# Allegro board BeagleBone_Green_v1.brd (continued)
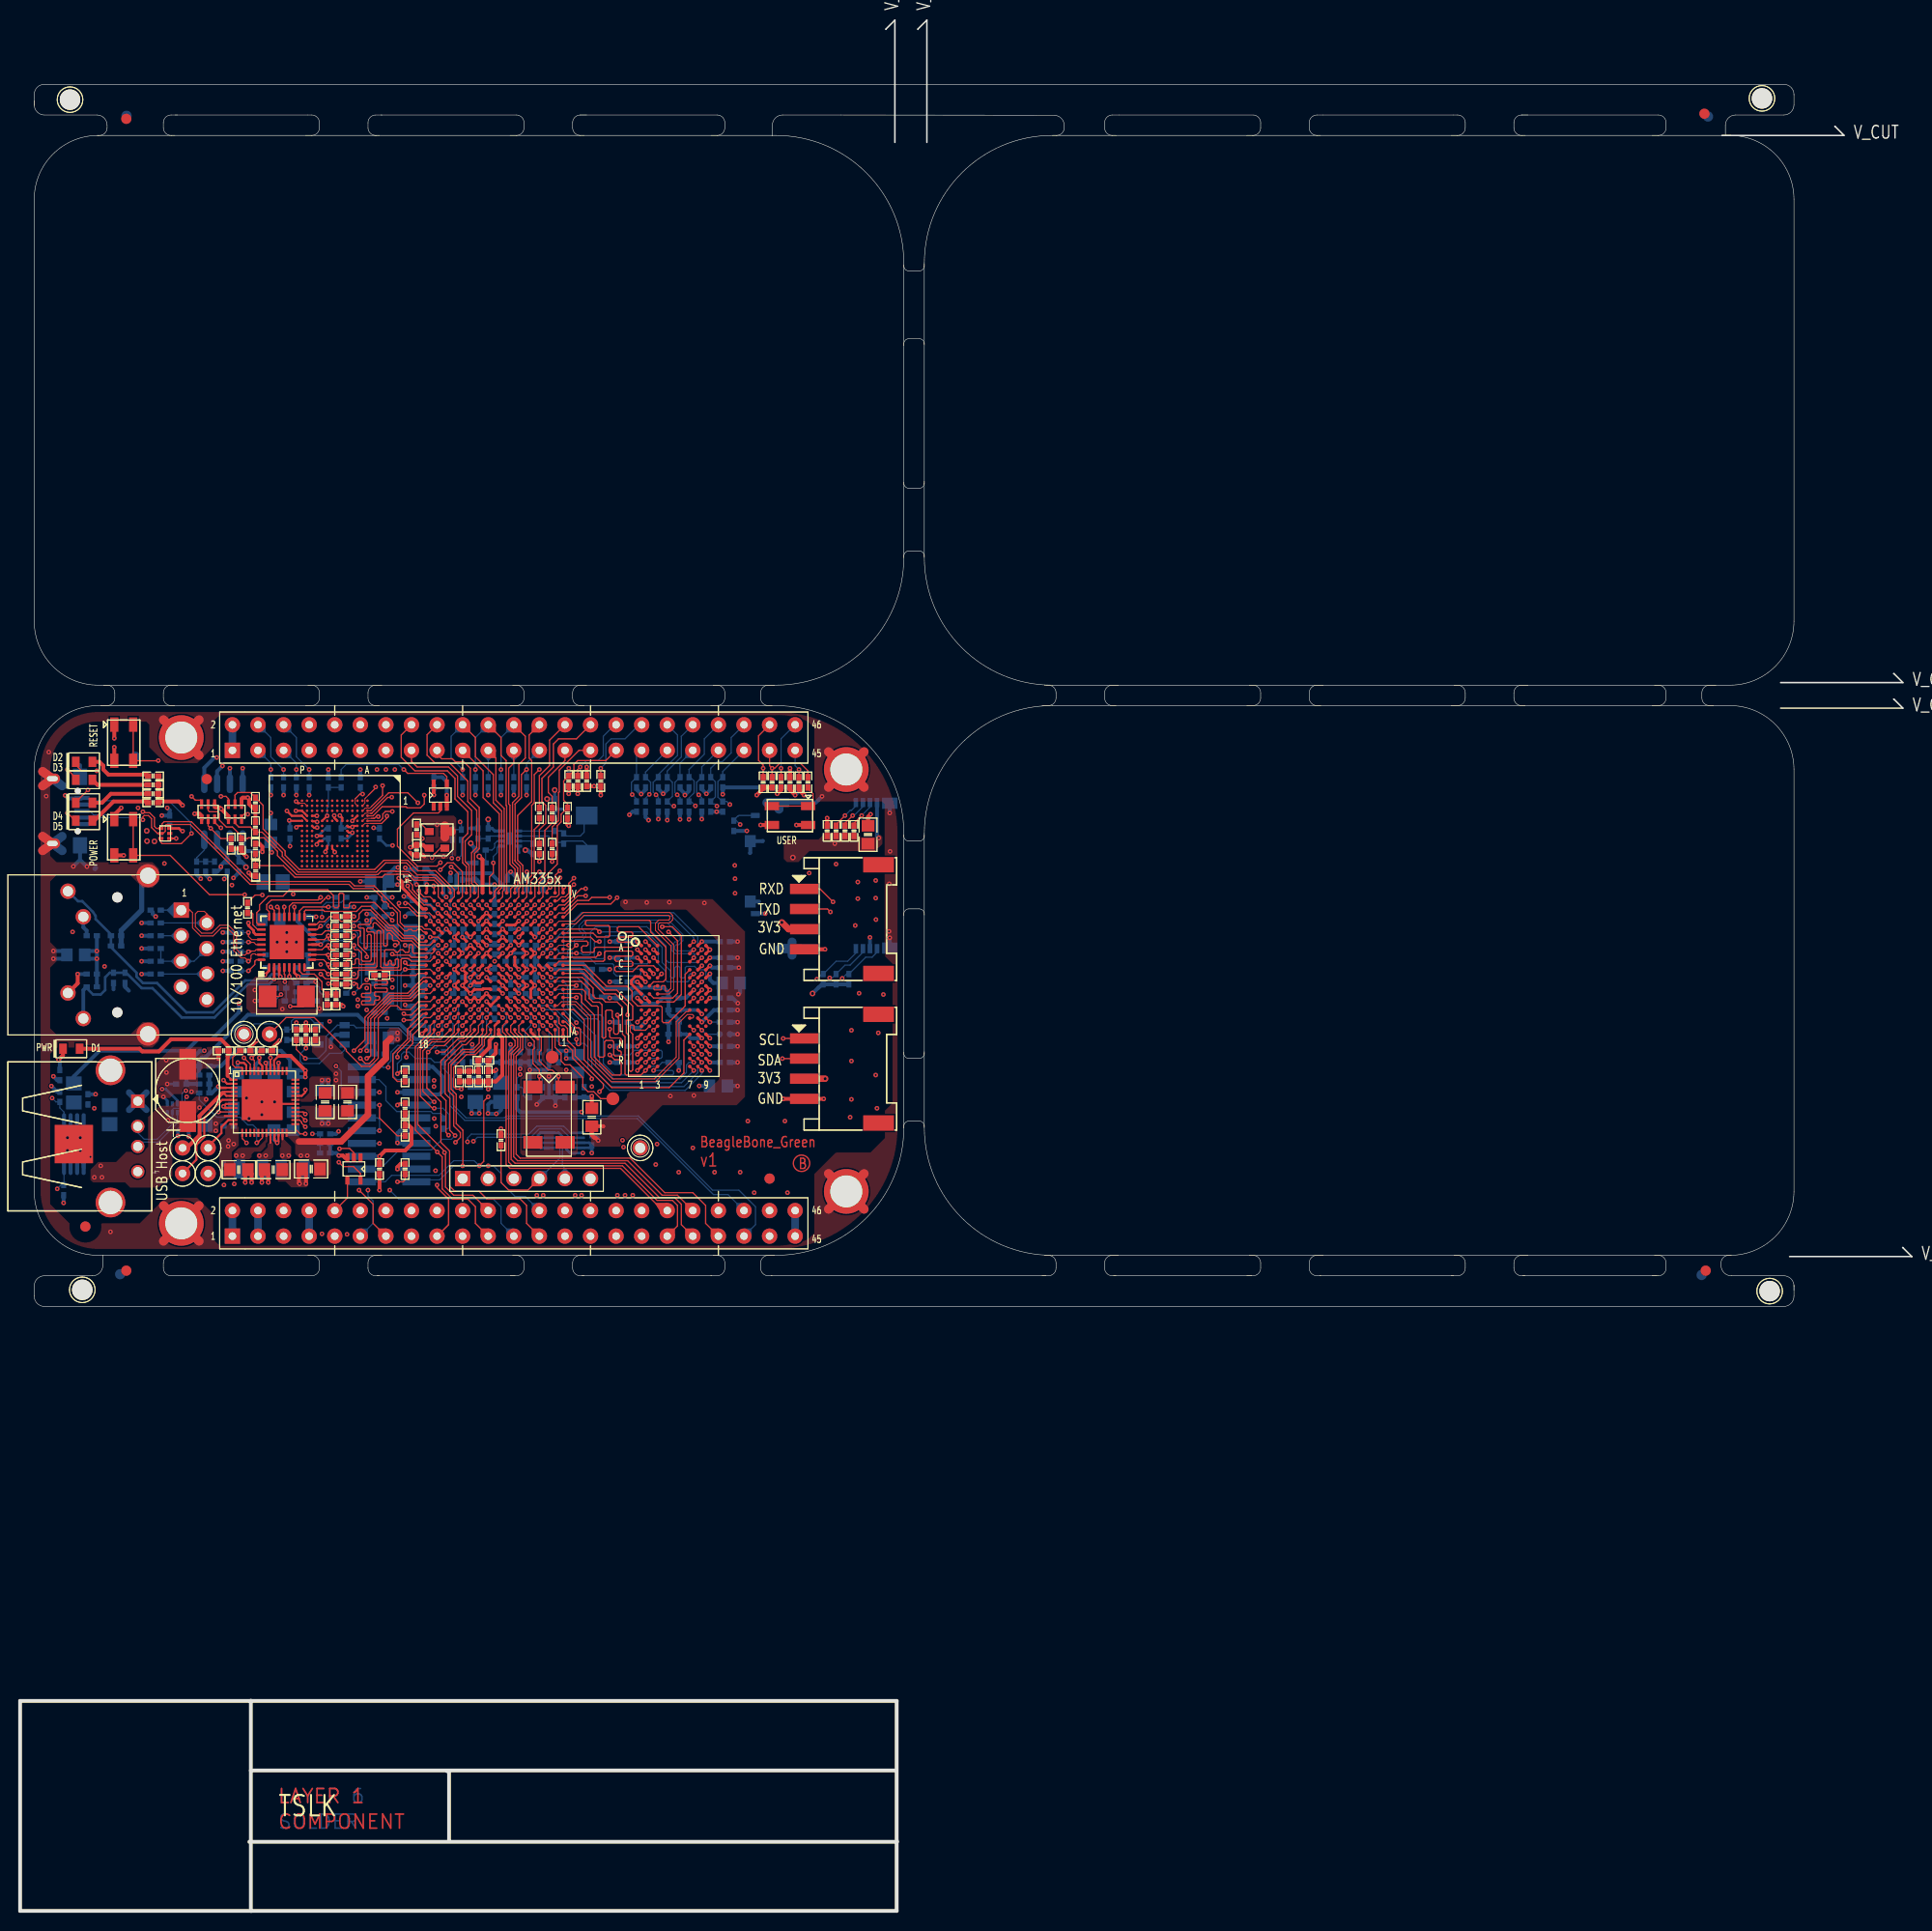
[diagram p0: board, top side]
## Nets (continued)
MMC0_DAT1: P10.8(DAT1) R154.2 U5.G15(MMC0_DAT1/GPMC_A22/UART5_CTSN/U)
MMC0_DAT2: P10.1(DAT2) R150.2 U5.F18(MMC0_DAT2/GPMC_A21/UART4_RTSN/T)
MMC0_DAT3: P10.2(CD/DAT3) R155.2 U5.F17(MMC0_DAT3/GPMC_A20/UART4_CTSN/T)
MMC1_CLK: P8.21(11) R110.2 U5.U9(GPMC_CSN1/GPMC_CLK/MMC1_CLK/PRT) U13.M6(CLK)
MMC1_CMD: P8.20(35) R109.2 U5.V9(GPMC_CSN2/GPMC_BE1N/MMC1_CMD/PR) U13.M5(CMD)
MMC1_DAT0: P8.25(13) R101.2 U5.U7(GPMC_AD0/MMC1_DAT0//////GPIO1_0) U13.A3(DAT0)
MMC1_DAT1: P8.24(37) R102.2 U5.V7(GPMC_AD1/MMC1_DAT1//////GPIO1_1) U13.A4(DAT1)
MMC1_DAT2: P8.5(3) R103.2 U5.R8(GPMC_AD2/MMC1_DAT2//////GPIO1_2) U13.A5(DAT2)
MMC1_DAT3: P8.6(28) R104.2 U5.T8(GPMC_AD3/MMC1_DAT3//////GPIO1_3) U13.B2(DAT3)
MMC1_DAT4: P8.23(12) R105.2 U5.U8(GPMC_AD4/MMC1_DAT4//////GPIO1_4) U13.B3(DAT4)
MMC1_DAT5: P8.22(36) R106.2 U5.V8(GPMC_AD5/MMC1_DAT5//////GPIO1_5) U13.B4(DAT5)
MMC1_DAT6: P8.3(2) R107.2 U5.R9(GPMC_AD6/MMC1_DAT6//////GPIO1_6) U13.B5(DAT6)
MMC1_DAT7: P8.4(27) R108.2 U5.T9(GPMC_AD7/MMC1_DAT7//////GPIO1_7) U13.B6(DAT7)
MODE2: R113.1 R138.2 U14.15(COL/CRS_DV/MODE2)
OSC1_IN: C21.2 U5.A6(OSC1_IN) Y1.1
OSC1_OUT: C22.2 U5.A4(OSC1_OUT) Y1.4
P_BYPASS: C4.2 U2.47(BYPASS)
P_INT_LDO: C3.2 U2.48(INT_LDO)
P_L1: L1.1 U2.20(L1)
P_L2: L2.1 U2.23(L2)
P_L3: L3.1 U2.31(L3)
PHY_VDDCR: C134.1 C136.1 U14.6(VDDCR)
PHY_XTAL1: C143.1 R141.2 R142.1 Y3.1
PHY_XTAL2: R141.1 R143.1 U14.4(XTAL2)
PHYX: C142.1 R143.2 Y3.2
PMIC_INT: R1.2 U2.45(INT) U5.B18(NNMI)
PMIC_PGOOD: U2.26(PGOOD) U5.B15(PORZN) U16.2(A)
PMIC_POWR_EN: U2.9(PWR_EN) U5.C6(PMIC_POWER_EN)
PROC_A15: R18.1 U5.A15(EVENT_INTR0/TIMER4/CLKOUT1/SPI1)
PWR_BUT: P9.9(5) S3.2(B1) S3.4(B2) U2.25(PB_IN)
PWR_LEDR: D1.1(C) R12.2
RBIAS: R144.1 U14.32(RBIAS)
RCLKIN: C161.1 R140.2 R142.2 U14.5(XTAL1/CLKIN)
REFCLKO: C162.2 R118.1 R124.2 R131.2 U14.7(RXCLK/PHYAD1)
RXD0/MODE0: R112.1 R128.2 U14.11(RXD0/MODE0)
RXD1/MODE1: R114.1 R127.2 U14.10(RXD1/MODE1)
RXD2/RMIISEL: R117.1 R126.2 U14.9(RXD2/RMIISEL)
RXD3/PHYAD2: R116.1 R125.2 U14.8(RXD3/PHYAD2)
RXDV: R129.2 U14.26(RXDV)
RXER/PHYAD0: R115.1 R133.2 U14.13(RXER/RXD4/PHYAD0)
RXN: C138.1 P5.2(RD-) R121.1 U14.30(RXN)
RXP: C137.1 P5.1(RD+) R120.1 U14.31(RXP)
SPI1_CS0: P9.28(39) U5.C12(MCASP0_AHCLKR/EHRPWM0_SYNCI_O/M)
SPI1_D0: P9.29(15) U5.B13(MCASP0_FSX/EHRPWM0B//SPI1_D0/MM)
SPI1_D1: P9.30(40) U5.D12(MCASP0_AXR0/EHRPWM0_TRIPZONE_IN)
SPI1_SCLK: P9.31(16) U5.A13(MCASP0_ACLKX/EHRPWM0A//SPI1_SCL)
SYS_5V: C7.2 C8.2 C10.2 C13.2 C17.1 C34.1 P9.7(4) P9.8(29) R71.1 R72.1 R73.1 R74.1 U2.2(VINLDO) U2.7(SYS1) U2.8(SYS2) U2.21(VIN_DCDC1) U2.22(VIN_DCDC2) U2.32(VIN_DCDC3) U2.39(LDO3_IN) U2.42(LDO4_IN) U4.2(IN) U8.2(IN1) U8.3(IN2)
SYS_RESETN: C24.1 C30.1 P2.15(SRST) P9.10(30) R14.2 S1.2(B1) S1.4(B2) U5.A10(NRESET_INOUT) U14.19(NRST) U16.4(Y)
TCT_RCT: C141.1 P5.4(RCT) P5.5(TCT) R137.1
TESTOUT: TP3.1(TP) U5.A3(TESTOUT)
TIMER4: P8.7(4) U5.R7(GPMC_ADVN_ALE/TIMER4/GPIO2_2)
TIMER5: P8.9(5) U5.T6(GPMC_BE0N_CLE/TIMER5/GPIO2_5)
TIMER6: P8.10(30) U5.U6(GPMC_WEN/TIMER6/GPIO2_4)
TIMER7: P8.8(29) U5.T7(GPMC_OEN_REN/TIMER7/EMU4/GPIO2_)
TXCLK: R134.2 U14.20(TXCLK)
TXN: C140.1 P5.6(TD-) R123.1 U14.28(TXN)
TXP: C139.1 P5.3(TD+) R122.1 U14.29(TXP)
U5_H18: R28.1 U5.H18(RMII1_REFCLK/XDMA_EVENT_INTR2/S)
U5_R13: R160.1 U5.R13(GPMC_A0/GMII2_TXEN/RGMII2_TCTL/)
U5_T13: R161.1 U5.T13(GPMC_CSN3/MMC2_CMD/PR1_MDIO_DAT)
UART0_RX: U5.E15(UART0_RXD/SPI1_CS0/DCAN0_TX/I2C) U15.6(1Y)
UART0_TX: U5.E16(UART0_TXD/SPI1_CS1/DCAN0_RX/I2C) U15.5(2A)
UART1_RXD: P9.26(38) U5.D16(UART1_RXD/MMC1_SDWP/DCAN1_TX/I2)
UART1_TXD: P9.24(37) U5.D15(UART1_TXD/MMC2_SDWP/DCAN1_RX/I2)
UART2_RXD: J5.1 P9.22(36) U5.A17(SPI0_SCLK/UART2_RXD/I2C2_SDA/EH)
UART2_TXD: J5.2 P9.21(11) U5.B17(SPI0_D0/UART2_TXD/I2C2_SCL/EHRP)
UART4_RXD: P9.11(6) U5.T17(GPMC_WAIT0/GM112_CRS/GPMC_CSN4/)
UART4_TXD: P9.13(7) U5.U17(GPMC_WPN/GMII2_RXERR/GPMC_CSN5/)
USB0_DM: P4.2(D-) U5.N18(USB0_DM) U10.2(D-)
USB0_DP: P4.3(D+) U5.N17(USB0_DP) U10.1(D+)
USB0_ID: P4.4(ID) U5.P16(USB0_ID) U10.3(ID)
USB1_DM: P3.2(P2) U5.R18(USB1_DM) U9.2(D-)
USB1_DP: P3.3(P3) U5.R17(USB1_DP) U9.1(D+)
USB1_DRVVBUS: R53.1 U5.F15(USB1_DRVVBUS/GPIO3_13) U8.4(EN)
USB1_ID: R49.2 U5.P17(USB1_ID)
USB1_OCN: R52.2 U5.T16(GPMC_A10/GMII2_RXD1/RGMII2_RD1/) U8.5(O\C\)
USB1_PWR: C35.1 FB7.1 FB8.2 U8.6(OUT3) U8.7(OUT2) U8.8(OUT1) U9.6(VBUS)
USB1_VBUS: FB8.1 U5.T18(USB1_VBUS)
USB_DC: C1.2 C36.1 P4.1(VB) R159.1 R168.1 U2.12(USB) U10.6(VBUS)
USR0: Q1.2(5) R76.1 U5.V15(GPMC_A5/GMII2_TXD0/RGMII2_TD0/R)
USR1: Q1.5 R77.1 U5.U15(GPMC_A6/GMII2_TXCLK/RGMII2_TCLK)
USR2: Q2.2(5) R78.1 U5.T15(GPMC_A7/GMII2_RXCLK/RGMII2_RCLK)
USR3: Q2.5 R79.1 U5.V16(GPMC_A8/GMII2_RXD3/RGMII2_RD3/M)
VDCDC1: L1.2 R6.1 U2.19(VDCDC1)
VIO: R7.2 U2.18(VIO) U16.5(VCC)
VLDO1: R5.1 R7.1 R8.1 U2.3(VLDO1)
VREFP_ADC: C31.1 C32.1 C33.1 R27.2 U5.B9(VREFP)
VRTC: C16.1 C105.1 R5.2 R26.1 U5.D7(VDDS_RTC)
WAKEUP: R26.2 U2.13(WAKEUP) U5.C5(EXT_WAKEUP)
WP: R156.2 TP4.1(TP) U7.5(WP)
XDMA_EVENT_INTR0: P2.17(EMU2) R18.2
YEL_C: P5.11(YELC) R130.2
YELA: C164.1 C166.1 P5.12(YELA) R135.1 U14.2(LED2/NINTSEL)
ZQ: R99.2 U12.L8(ZQ)
N21757673: C19.1 R10.1 R11.2 U4.4(ADJ)
N21769115: R75.2 S2.1(A1) S2.3(A2)
N22155575: R159.2 U5.P15(USB0_VBUS)
N22248684: R167.1 Y4.3(CLK)
N22287501: R162.1 U3.4(Y)
N22287555: U3.2(A) U5.R14(GPMC_A4/GMII2_TXD1/RGMII2_TD1/R)
N22420400: TP5.1(TP) U2.4(BAT1) U2.5(BAT2)
N22420444: TP6.1(TP) U2.6(BAT_SENSE)
N22420447: TP7.1(TP) U2.11(TS)
N22488252: TP9.1(TP) U5.E17(UART0_RTSN/UART4_TXD/DCAN1_RX/I)
N22648410: C25.1 R17.1 U17.1(XIN/CXIN) Y2.2
N22648422: C26.1 R17.2 U17.2(CKOUT) Y2.1
N22649826: R171.2 U17.3(SSON)
N22650321: R172.2 R174.1 U17.6(ADS0)
N22650344: R173.1 R175.2 U17.7(ADS1)
N22650388: U5.V10(OSC0_IN) U17.5(MOD OUT)

Pads without a net: J1 2 3 6; NOREF#5 1; NOREF#13 1; NOREF#15 1; NOREF#17 1; NOREF#20 1; NOREF#25 1; NOREF#29 1; NOREF#33 1; NOREF#34 1; NOREF#36 1; NOREF#37 1; NOREF#38 1; NOREF#39 1; NOREF#40 1; P2 6; P5 7; U2 14 15 16 17 33 34 35 36 37 38 44; U3 1; U5 E18 F16 M5 M15 P18 U11; U9 3 5; U10 5; U12 J1 J9 L1 L9; U13 A1 A2 A6 A7 A8 A9 A10 A11 A12 A13 A14 B1 B7 B8 B9 B10 B11 B12 B13 B14 C1 C3 C5 C7 C8 C9 C10 C11 C12 C13 C14 D1 D2 D3 D4 D12 D13 D14 E1 E2 E3 E5 E8 E9 E10 E12 E13 E14 F1 F2 F3 F10 F12 F13 F14 G1 G2 G3 G10 G12 G13 G14 H1 H2 H3 H5 H12 H13 H14 J1 J2 J3 J5 J12 J13 J14 K1 K2 K3 K6 K7 K10 K12 K13 K14 L1 L2 L3 L12 L13 L14 M1 M2 M3 M7 M8 M9 M10 M11 M12 M13 M14 N1 N3 N6 N7 N8 N9 N10 N11 N12 N13 N14 P1 P2 P7 P8 P9 P10 P11 P12 P13 P14; U16 1; Y1 2 3

## Via types
v1: diameter 0.457, hole 0.203, TOP to BOTTOM, 820 vias
v2: diameter 0.559, hole 0.305, TOP to BOTTOM, 28 vias

## Routing (per net, layer and track width the routed paths; a pad name or vN(x,y) marks a point on that pad's centre or on a via; arc(x,y) is an arc through that point)
DGND: length 353.8
  TOP w0.076: 27.73,110.05 27.88,110.05 27.89,110.04 28.23,110.04 28.49,109.79 U13.N2
  TOP w0.178: U13.N5 U13.P4
  TOP w0.191: U10.4 v1(15.49,106.54)
  TOP w0.203: v1(27.41,110.21) 27.57,110.05 27.73,110.05 ; U13.P4 26.98,108.79 v1(26.49,109.27) ; U2.41 v1(24.86,84.75) ; v2(25.27,80.37) 25.65,80.37 25.85,80.17 U2.30 ; U13.G5 31.35,108.43 31.19,108.59 v1(31.19,108.81) ; U13.E7 32.67,107.11 v1(32.99,107.11) ; v1(31.24,105.18) 31.24,105.26 30.99,105.51 U13.H10 ; U13.K8 v1(29.46,106.79) ; v1(27.43,107.65) 27.57,107.79 U13.P6 ; U13.C4 v1(32.99,108.29)
  TOP w0.254: U5.L13 v1(44.72,95.94) U5.L12 ; U12.G1 60.71,92.08 60.71,92.43 61.09,92.81 61.58,92.81 U12.E1 v1(62.1,92.29) ; v1(44.72,91.94) U5.G12 45.28,92.18 45.76,92.18 U5.G11 ; U5.L10 v1(46.32,95.14) ; v1(46.32,95.14) U5.K10 ; v1(46.32,95.14) U5.K11 ; U5.M14 v1(43.12,96.74) U5.N14 ; U12.D1 v1(62.1,93.09) U12.E2 ; v1(61.3,95.49) U12.B1 ; v1(68.5,83.49) U12.T9 ; v1(40.39,101.96) 40.39,101.2 U5.V18 ; U5.J11 v1(45.52,93.54) ; U5.A1 v1(53.92,86.84) ; U5.L11 v1(45.52,95.94) U5.M12 ; U5.H9 v1(47.92,92.74) U5.G8 ; U5.M7 v1(49.52,95.94) U5.M6 ; v1(44.72,92.74) U5.H12 ; U12.B9 v1(68.5,95.49) U12.A9 ; v1(47.92,95.14) U5.K9 ; v1(67.7,93.09) U12.E8 ; U5.M8 v1(47.92,96.74) U5.M9 ; v1(49.52,93.54) U5.J7 U5.K7 ; v1(67.7,93.89) U12.D8 ; v1(68.5,85.09) U12.P9 ; v1(62.9,95.49) U12.B3 ; v1(54,101.7) 53.92,101.62 U5.V1 ; U5.G9 v1(47.92,91.94) U5.F8 ; v1(47.92,93.54) U5.J9 ; U5.J10 v1(46.32,93.54) U5.H10 ; v1(67.7,91.49) U12.G8 ; U5.N10 v1(46.32,97.54) U5.N11 ; v1(61.3,85.09) U12.P1 ; v1(68.5,86.69) U12.M9 ; U5.H6 v1(50.32,93.54) U5.J6 ; U5.H7 v1(49.52,92.74) ; v1(48.72,93.54) U5.J8 ; U5.A18 v1(39.92,87.13) ; U12.F9 v1(68.5,91.49) U12.G9 ; v1(48.72,92.74) U5.H8 ; v1(61.3,83.49) U12.T1 ; v1(67.7,89.09) U12.J8 ; v1(46.32,96.74) U5.M10 ; v1(49.52,97.54) U5.N7 ; v1(61.3,86.69) U12.M1 ; v1(62.1,89.09) U12.J2
  TOP w0.381: v1(37.46,73.7) 37.46,73.89 37.78,74.21 R25.2 ; v1(79.8,80.67) J4.4 v1(75.77,80.67) ; 57.91,77.93 57.89,77.95 C96.1 C155.1 57.02,76.81 57.12,76.81 v1(57.4,76.53) ; v1(54.48,107.8) 54.36,107.92 R81.2 ; 22.86,85.45 22.86,85.83 v1(23.49,86.46) ; v1(84.46,108.94) 84.2,108.69 C153.2 ; v1(75.18,110.97) 75.57,111.35 R94.2 ; v1(31.65,75.03) 32.05,75.03 32.28,74.81 U16.3 ; Q2.1 18.02,108.78 17.81,108.99 v1(17.32,108.99) ; Q1.1 20.69,108.75 v1(19.96,109.47) 19.84,109.6 19.48,109.6 19.32,109.76 Q2.4 ; Q1.4 21.99,110.48 22.1,110.59 v1(22.61,110.59) 22.73,110.46 22.73,109.96 23.11,109.58 R77.2 23.37,108.18 ; S1.1 v1(9.35,116.48) ; v1(73.15,110.85) 73.79,111.48 R92.2 R93.2 ; J5.4 v1(79.93,95.53) ; 38.73,105.13 38.99,104.88 C159.2 40,104.88 40.13,104.75 ; v1(22.71,103.12) 23.01,102.82 R170.2 ; S3.1 9.35,108.89 v1(10.03,109.58) ; v1(77.85,110.85) 77.34,111.35 R95.2 ; R84.2 v1(57.66,110.85) ; v1(22.35,72.36) 22.35,73.38 C1.1 22.99,73.25 v1(22.99,72.36) ; S2.2 v1(77.09,107.87) ; R80.2 v1(55.37,110.97) ; S3.3 v1(10.29,104.85) ; v1(35.69,71.6) C29.2 ; R78.2 R79.2 21.97,105.23 v1(22.48,104.72) ; S2.4 v1(73.53,107.87) ; v1(32.08,89.87) 31.93,90.02 R118.2 C162.1 ; U3.3 v1(42.37,110.85) ; S1.3 v1(9.35,115.6) ; C61.1 v1(76.45,113.51) ; v1(28.38,72.24) 28.38,73.32 C12.1 28,73.44 27.69,73.13 27.69,72.3 v1(27.75,72.24) ; C154.2 v1(80.14,108.56) ; C18.2 v1(19.68,84.68) ; C57.1 v1(56.26,113.64) ; v1(47.75,77.71) R165.2
  TOP w0.889: 42.18,106.67 Y4.2 ; Y4.2 42.18,107.79 ; Y4.2 42.82,107.23
  LYR2_GND w0.889: 20.12,68 P9.1 22.05,68 ; 73.69,68.84 P9.44 ; P9.44 75.16,70.3 ; P9.44 73.69,70.3 ; P9.44 75.16,68.84 ; P9.2 21.82,70.3 ; P9.2 20.35,68.84 ; P9.2 21.82,68.84 ; P9.2 20.35,70.3 ; 11.02,72.77 P3.4 ; P3.4 12.34,72.77 ; P3.4 12.34,74.1 ; P3.4 11.02,74.1 ; 77.7,67.76 P9.45 76.23,67.76 ; 20.12,114.32 P8.1 ; P8.1 22.05,116.26 ; P8.1 22.05,114.32 ; P8.1 20.12,116.26 ; P9.46 77.7,70.3 ; P9.46 76.23,70.3 ; P9.46 76.23,68.84 ; P9.46 77.7,68.84 ; J1.1 44.91,71.78 ; J1.1 42.98,71.78 ; J1.1 42.98,73.71 ; 60.84,76.53 TP1.1 ; TP1.1 62.3,75.06 ; TP1.1 60.84,75.06 ; TP1.1 62.3,76.53 ; TP8.1 19.4,72.52 ; TP8.1 17.94,73.99 ; TP8.1 19.4,73.99 ; TP8.1 17.94,72.52 ; P5.8 19.28,91.26 ; P5.8 19.28,89.79 ; P5.8 17.81,91.26 ; P5.8 17.81,89.79 ; 75.16,67.76 P9.43 73.69,67.76 ; 20.35,117.1 P8.2 21.82,117.1
  LYR5_PWR w0.889: 76.23,70.3 P9.46 ; P9.46 77.7,70.3 ; P9.46 76.23,68.84 ; P9.46 77.7,68.84 ; 75.16,67.76 P9.43 73.69,67.76 ; P9.44 75.16,70.3 ; P9.44 73.69,70.3 ; P9.44 75.16,68.84 ; P9.44 73.69,68.84 ; 77.7,67.76 P9.45 76.23,67.76
  BOTTOM w0.191: v1(30.61,97.83) 30.61,97.48 30.73,97.35 32.26,97.35 32.38,97.22 R115.2 ; C88.2 47.11,88.63 46.32,89.42 v1(46.32,89.54)
  BOTTOM w0.203: v1(51.12,90.34) 50.83,90.62 50.66,90.62 50.21,91.07 C100.2
  BOTTOM w0.254: v1(29.46,106.79) 29.49,106.81 29.62,106.81 30.35,107.54 C128.2 ; U9.4 14.61,80.48 v1(14.22,80.87) ; C127.2 v1(26.8,105.77) ; v1(32.99,107.11) 32.99,107.01 32.51,106.53 C129.2 ; C155.1 57.15,77.06 57.4,76.81 v1(57.4,76.53) ; U15.1 51.68,75.81 51.43,76.05 51.43,77.06 51.68,77.3 U15.4 53.48,77.3 54.23,76.56 54.23,75.67 54.61,75.29 v1(55.88,75.29) ; 15.49,82.14 v1(14.61,82.14) ; v1(44.72,92.74) v1(44.72,91.94) 44.02,91.24 C70.1 ; 54.52,82.35 R30.1 53.68,82.35 ; C130.2 36.37,105.84 v1(36.98,105.84)
  BOTTOM w0.305: C99.2 v1(49.52,92.74) ; C63.2 45.41,91.94 v1(44.72,91.94) ; C73.1 v1(49.52,97.54) 48.83,97.54 C43.2 ; C49.2 46.98,93.54 v1(46.32,93.54) ; v1(47.92,95.14) 47.22,95.14 C47.2 ; C48.2 49.23,93.83 v1(49.52,93.54) ; C72.1 47.62,91.64 v1(47.92,91.94) ; C50.2 v1(48.72,92.74) ; v1(47.92,96.74) 47.62,97.03 C42.2 ; C94.2 v1(45.52,95.94) ; v1(50.32,93.54) 50.32,94.23 C98.2 ; C60.1 v1(44.72,92.74) ; v2(53.09,111.35) R29.1 v2(52.32,110.46) ; v1(46.32,95.14) 46.02,94.84 C46.2 ; v1(49.52,95.94) C97.2 ; C41.2 43.12,97.43 v1(43.12,96.74) 43.12,96.04 C66.2
  BOTTOM w0.381: v1(21.18,102.62) 21.72,103.15 C17.2 ; v1(7.62,94.59) v1(7.62,95.35) ; v1(7.62,94.59) R130.1 R135.2 ; v1(7.62,94.59) 6.79,94.59 R136.1 6.79,95.35 v1(7.62,95.35) ; v1(7.62,95.35) R132.1 ; R53.2 v1(4.32,70.33) ; v1(6.99,74.9) 6.73,74.9 6.31,74.48 U8.1 ; C113.2 v1(58.55,84.29) ; C122.1 71.24,81.95 v1(71.25,81.95) ; C110.2 v1(58.55,90.69) 58.46,90.78 R22.1 ; C108.2 v1(58.55,94.69) ; C107.2 v1(58.55,96.29) ; v1(42.75,103.12) 42.75,102.93 42.72,102.9 C80.2 ; v1(20.27,102.51) 20.57,102.82 C20.2 ; R10.2 17.53,102.95 v1(17.93,102.54) ; C58.2 C106.2 45.36,102.44 45.85,101.96 v1(47.12,101.96) C56.1 ; R54.1 52.51,83.79 52.27,83.54 v1(50.61,83.54) ; C19.2 18.41,102.92 v1(18.82,102.51) ; C111.2 v1(58.55,88.29) ; R85.2 v1(63.37,108.46) ; v1(31.65,75.03) 31.39,75.29 C30.2 C24.2 ; U4.5 18.29,113.56 19.3,114.58 v1(19.53,114.58) ; C69.1 C79.2 C54.2 ; C92.2 v1(49.66,83.65) ; C92.2 C105.2 C89.2 C91.2 C90.2 C59.2 ; C92.2 C104.2 v1(50.61,83.54) ; R49.1 38.54,99.1 v1(38.23,98.78) ; R30.1 C102.2 ; P4.5 6.08,110.52 4.78,110.52 v1(4.47,110.82) ; R145.2 v1(33.15,99.73) ; P2.12 P2.10 37.71,77.51 37.46,77.26 v1(37.46,76.3) 37.53,76.24 P2.8 ; v1(38.23,91.94) C54.2 ; C54.2 C44.2 ; v1(60.5,108.89) 60.81,109.19 R82.2 ; R90.2 v1(69.16,109.19) R91.2 ; 35.18,85.45 35.18,86.33 C62.1 34.42,86.33 34.42,85.45 ; 35.18,85.45 34.42,85.45 ; 35.18,85.45 C64.2 ; C161.2 28.57,92.3 v1(29.34,92.3) ; C120.2 v1(71.25,85.89) ; C112.2 v1(58.55,85.89) ; C81.2 49.28,102.67 v1(48.72,103.23) 48.39,102.9 C84.2 ; R87.2 v1(65.53,108.43) ; v1(3.3,82.91) 3.68,82.52 R12.1 ; C141.2 v1(12.06,95.61) ; P10.6 v1(84.39,96.71) ; C121.2 v1(71.25,84.29) ; v1(16.74,76.94) C2.1 16.18,78.03 15.67,77.52 v1(15.67,76.99) ; C45.2 C87.2 38.95,95.9 38.26,95.9 v1(38.23,95.94) ; v1(34.42,100.69) C67.2 C38.2 ; C137.2 13.17,99.2 13.17,99.03 13.42,98.78 v1(13.46,98.78) ; v1(14.61,109.58) 14.86,109.32 C36.2 v1(14.07,108.81) ; U7.2 31.31,87.03 30.86,86.59 v1(30.86,85.83) ; R89.2 v1(67.69,108.46) ; C28.2 v1(58.55,93.54) ; C158.2 41.91,112.62 42.37,112.16 v1(42.37,110.85) ; C135.2 29.21,98.78 29.24,98.76 v1(29.39,98.76) ; v1(37.46,81.32) P2.16 39.41,81.25 40.75,81.25 40.89,81.11 41.63,81.11 41.93,81.4 41.93,82.89 40.96,83.86 P2.20 ; C123.2 U12.J8 v1(67.7,89.09) ; C138.2 v1(12.06,98.15) ; v1(36.96,99.03) 36.45,99.03 C78.2 ; v1(50.61,83.54) R164.2 ; C75.1 v1(54.48,113.51) ; C136.2 27.56,95.35 27.3,95.61 ; C118.1 71.5,91.24 v1(71.32,91.06) ; C152.2 v1(27.43,88.24) ; v1(24.99,105.16) 24.89,105.26 C126.1 ; R96.1 v1(71.25,88.29) ; C117.2 70.75,90.69 v1(71.27,90.17) ; v1(20.09,113.74) 19.56,113.21 U4.6 ; v1(33.78,102.27) C77.2 ; C119.2 v1(71.25,89.49) ; C142.2 v1(23.3,90.4) ; U4.8 v1(22.1,113.51) ; v1(38.23,90.01) 38.23,90.01 38.35,89.89 C82.2 C83.2 C85.2 ; C74.1 51.92,102.87 v1(51.56,103.23) ; C71.1 40.26,102.08 v1(40.39,101.96) ; R100.2 C124.2 v1(64.39,86.33) ; 34.42,85.45 v1(34.42,85.45) ; C86.2 38.98,100.37 38.61,100.74 38.15,100.74 v1(38.1,100.79) ; C61.1 v1(76.45,113.51) ; R88.2 v1(66.42,108.43) ; R86.2 v1(64.26,108.36) ; C109.2 v1(58.55,92.29) ; v1(33.15,93.07) R116.2 R117.2 ; C115.2 v1(71.25,94.69) ; U4.7 v1(20.83,113.51) ; C125.2 v1(33.78,113.39) ; C116.2 v1(71.37,93.7) ; C140.2 v1(12.06,93.07) ; P10.9 v1(73.99,99.07) ; v1(62.41,108.36) 62.1,108.66 R83.2 ; P2.4 v1(37.46,73.7) ; C35.2 v1(7.49,81.13) ; C68.1 v1(50.32,103.23) ; C139.2 v1(12.06,96.88) ; R144.2 v1(20.13,93.38) ; C114.2 v1(71.25,96.29) ; R99.1 v1(71.25,87.09) ; FB3.2 45.59,79.99 v1(45.59,79.22) v1(44.83,79.22) 44.83,79.99 FB3.2
  BOTTOM w0.762: P9.45 P9.46 ; P8.1 P8.2 ; P9.1 P9.2
  vias: v1(5.21,97.26) v1(8.38,93.83) v1(11.71,109.58) v1(14.5,84.51) v1(14.53,83.29) v1(17.02,81.38) v1(23.3,91.48) v1(26.04,89.59) v1(29.72,89.64) v1(29.97,67.26) v1(31.37,83.16) v1(31.37,82.52) v1(32.46,67.21) v1(34.42,92.49) v1(34.42,91.67) v1(34.42,89.51) v1(41.4,107.9) v1(42.04,104.75) v1(54.23,83.54) v1(56.77,81.89) v1(60.12,100.23) v1(62.23,100.18) v1(63.12,74.14) v1(63.25,76.17) v1(64.47,100.2) v1(64.57,80.95) v1(65.41,73.38) v1(66.8,75.8) v1(66.9,81) v1(67.95,100.13) v1(68.96,73.38) v1(70.97,103.86) v1(70.99,102.54) v1(70.99,101.09) v1(71.5,73.38) v1(72.26,78.46) v1(72.9,71.35) v1(75.95,78.46) v1(76.2,71.35) v1(78.36,103.1) v1(81.03,103.99) v1(82.42,78.84) v1(82.55,87.48) v1(82.55,84.43) v1(82.55,80.62) v1(82.93,97.89) v1(83.19,102.21) v1(83.19,100.56) v1(83.31,91.16) v1(84.96,102.36) v1(84.96,100.61) v1(84.99,98.48) v1(84.96,83.03) v1(85.09,79.73) v1(85.22,87.22) v1(85.73,91.03) v2(4.7,76.81) v2(4.7,75.54) v2(5.97,76.81) v2(5.97,75.54) v2(22.48,80.75) v2(22.73,78.71) v2(24,80.37) v2(24,79.1) v2(25.53,96.24) v2(26.48,97.19) v2(26.48,96.24) v2(26.48,95.29) v2(27.43,96.24)
GND_EARTH: length 295.5
  TOP w0.889: 80.28,69.71 MTG2.1 ; MTG2.1 83.81,73.24 ; MTG2.1 83.81,69.71 ; MTG2.1 80.28,73.24 ; 80.28,111.62 MTG4.1 ; MTG4.1 83.81,115.15 ; MTG4.1 80.28,115.15 ; MTG4.1 83.81,111.62 ; MTG3.1 17.77,114.79 ; MTG3.1 14.24,118.33 ; MTG3.1 17.77,118.33 ; 14.24,66.53 MTG1.1 ; MTG1.1 17.77,70.07 ; MTG1.1 17.77,66.53 ; MTG1.1 14.24,70.07 ; 2.23,111.77 P4.9 2.23,113.19 ; 2.23,105.33 P4.8 2.23,106.75
  LYR2_GND w0.889: 2.23,111.77 P4.9 2.23,113.19 ; MTG1.1 17.77,70.07 ; MTG1.1 14.24,66.53 ; MTG1.1 17.77,66.53 ; MTG1.1 14.24,70.07 ; 80.28,111.62 MTG4.1 ; MTG4.1 83.81,111.62 ; MTG4.1 83.81,115.15 ; MTG4.1 80.28,115.15 ; MTG3.1 17.77,118.33 ; MTG3.1 14.24,118.33 ; MTG3.1 17.77,114.79 ; MTG2.1 83.81,69.71 ; MTG2.1 80.28,69.71 ; MTG2.1 80.28,73.24 ; MTG2.1 83.81,73.24 ; 2.23,106.75 P4.8 2.23,105.33
  LYR3 w0.889: 2.23,111.77 P4.9 2.23,113.19 ; 14.24,118.33 MTG3.1 ; MTG3.1 17.77,114.79 ; MTG3.1 17.77,118.33 ; 14.24,66.53 MTG1.1 ; MTG1.1 17.77,66.53 ; MTG1.1 14.24,70.07 ; MTG1.1 17.77,70.07 ; 2.23,105.33 P4.8 2.23,106.75 ; MTG4.1 83.81,111.62 ; MTG4.1 80.28,111.62 ; MTG4.1 80.28,115.15 ; MTG4.1 83.81,115.15 ; 80.28,73.24 MTG2.1 ; MTG2.1 83.81,73.24 ; MTG2.1 83.81,69.71 ; MTG2.1 80.28,69.71
  LYR4 w0.889: 80.28,73.24 MTG2.1 ; MTG2.1 83.81,73.24 ; MTG2.1 83.81,69.71 ; MTG2.1 80.28,69.71 ; 2.23,105.33 P4.8 2.23,106.75 ; MTG1.1 17.77,66.53 ; MTG1.1 14.24,70.07 ; MTG1.1 14.24,66.53 ; 2.23,113.19 P4.9 2.23,111.77 ; MTG4.1 83.81,111.62 ; MTG4.1 80.28,115.15 ; MTG4.1 80.28,111.62 ; MTG4.1 83.81,115.15 ; MTG3.1 17.77,114.79 ; MTG3.1 14.24,118.33 ; MTG3.1 17.77,118.33
  LYR4 w1.016: P3.6 v1(8.97,67.46) ; P3.5 9.11,83.51 12.7,87.1
  LYR5_PWR w0.889: MTG4.1 83.81,111.62 ; MTG4.1 80.28,115.15 ; MTG4.1 80.28,111.62 ; MTG4.1 83.81,115.15 ; 14.24,70.07 MTG1.1 ; MTG1.1 17.77,66.53 ; MTG1.1 14.24,66.53 ; MTG1.1 17.77,70.07 ; MTG3.1 17.77,118.33 ; MTG3.1 14.24,118.33 ; MTG3.1 17.77,114.79 ; MTG2.1 83.81,73.24 ; MTG2.1 80.28,73.24 ; MTG2.1 83.81,69.71 ; MTG2.1 80.28,69.71 ; 2.23,105.33 P4.8 2.23,106.75 ; 2.23,111.77 P4.9 2.23,113.19
  BOTTOM w0.381: v1(79.63,110.72) 79,110.09 P10.11 ; 73.76,106.3 73.73,106.27 P10.15 72.5,105.12 72.47,105.08 ; 73.37,100.27 P10.16 ; 5.95,104.42 v1(5.28,103.76) ; 5.95,104.42 v1(6.63,103.74) ; 5.95,104.42 P4.7 ; C164.2 10.41,91.8 10.79,91.41 ; v1(3.3,95.35) 4.25,95.35 R136.2 4.25,94.59 v1(3.3,94.59) ; P4.6 5.95,113.81 ; P10.14 v1(86.36,96.67) ; C166.2 9.27,91.54 ; P10.12 77.84,95.59 ; P10.13 v1(86.36,109.07)
  BOTTOM w0.508: C165.2 C163.2 10.03,97.38 12.06,99.42 12.06,102.21 P5.13 ; 7.43,103.54 7.49,103.61
  BOTTOM w0.889: 2.23,111.77 P4.9 ; P4.9 4.17,111.77 ; P4.9 2.23,113.19 ; 80.28,73.24 MTG2.1 ; MTG2.1 83.81,69.71 ; MTG2.1 83.81,73.24 ; MTG2.1 80.28,69.71 ; MTG1.1 17.77,70.07 ; MTG1.1 14.24,70.07 ; MTG1.1 14.24,66.53 ; MTG1.1 17.77,66.53 ; 75.36,109.45 P10.11 74.15,110.09 ; MTG4.1 83.81,111.62 ; MTG4.1 80.28,111.62 ; MTG4.1 83.81,115.15 ; MTG4.1 80.28,115.15 ; 14.24,118.33 MTG3.1 ; MTG3.1 17.77,114.79 ; MTG3.1 17.77,118.33 ; 2.23,106.75 P4.8 ; P4.8 2.23,105.33 ; P4.8 4.17,105.33 ; P4.8 4.17,106.75 ; 76.66,94.95 P10.12 ; P10.12 75.45,95.59 ; P10.12 76.66,96.24
  vias: v1(2.59,110.74) v1(2.84,115.11) v1(86.31,102.03) v1(86.28,97.31) v1(86.39,105.26)
GND_OSC0: length 9.4
  TOP w0.381: v2(45.59,104.75) 45.92,104.43 U5.V11
  BOTTOM w0.305: 49.53,105.13 49.49,105.17 U17.4 ; R29.2 52.45,109.45 ; R29.2 C25.2 ; R29.2 53.85,109.45 ; R173.2 45.47,108.43
  BOTTOM w0.381: R174.2 44.45,104.11 ; R173.2 44.7,107.54
GND_OSC1: length 7.3
  TOP w0.254: 51.43,86.59 50.72,87.31 U5.A5
  BOTTOM w0.381: v1(53.15,79.98) C22.1 ; C22.1 R30.2 ; C22.1 52.51,80.81 ; 52.51,80.81 C21.1 51.88,80.68 v1(51.31,80.11) ; 52.51,80.81 v1(52.51,82.91)
GNDA_ADC: length 46.4
  TOP w0.254: v1(48.72,90.34) U5.E8
  TOP w0.305: 47.52,87.1 U5.A9
  TOP w0.381: C93.2 47.24,82.4 47.88,83.03 47.88,86.72 47.52,87.08 47.52,87.1 ; C93.2 C33.2 C31.2 C32.2 ; C93.2 v1(46.48,81.64)
  LYR4 w0.381: v1(48.72,90.34) 47.69,90.34 47.24,89.89 47.24,88.37 47.88,87.73 47.88,85.45 46.48,84.05 v1(46.48,81.64) 46.58,81.64 49.23,78.99 49.23,76.23 51.16,74.3 52.63,74.3 52.96,73.96 54.41,73.96 55.35,73.03 55.35,72.51 57.91,69.95 57.91,69.31 58.73,68.49 60.64,68.49 P9.34
  BOTTOM w0.381: v1(46.48,81.64) 46.48,82.02 46.23,82.27 FB3.1
VBUS: length 4.9
  BOTTOM w0.629: P3.1 12.54,79.57 ; P3.1 12.54,81.3 ; P3.1 10.82,79.57 ; P3.1 10.82,81.3
VDD_1V8: length 35.5
  TOP w0.203: 25.67,84.94 25.22,84.48 25.22,83.99 25.26,83.95 U2.40
  TOP w0.254: v1(46.32,90.34) U5.D10 U5.E9 ; v1(41.48,99.11) 41.54,99.11 U5.R16 ; v1(41.52,97.54) U5.N16
  TOP w0.381: v1(28.32,82.84) v1(28.32,83.48) 26.86,84.94 25.67,84.94
  LYR3 w0.381: v1(28.32,82.84) v1(28.32,83.48)
  BOTTOM w0.305: C86.1 40.09,100.37 40.52,99.93 40.72,99.93 41.15,99.5 41.15,99.43 v1(41.48,99.11) ; v1(46.32,90.34) 47.01,89.64 C88.1
  BOTTOM w0.381: C14.2 27.43,82.84 v1(28.32,82.84) v1(28.32,83.48) 27.43,83.48 C14.2 ; C14.2 26.8,83.48 26.8,84.56 25.91,85.45 21.46,85.45 19.94,83.92 18.8,83.92 ; FB1.1 35.18,97.26 34.42,98.02 v1(34.42,98.4) 34.8,98.4 C78.1 34.92,99.03 v1(34.42,99.03) ; 46.48,80.11 46.74,80.37 FB2.2 47.75,79.57 47.37,79.18 v1(47.28,79.18) 46.49,79.18 v1(46.46,79.22) 46.46,79.25 46.48,79.27 46.48,80.11
VDD_3V3A: length 117.8
  TOP w0.203: v1(23.76,84.75) 23.76,84.23 24.06,83.93 U2.43
  TOP w0.254: U5.P12 v1(44.72,98.34) ; v1(49.52,98.34) U5.P7 U5.P8 ; U5.P6 v1(50.32,98.34) ; U5.E10 v1(46.32,91.14) U5.E11 v1(45.52,90.34) U5.E12 v1(44.72,90.34) U5.E13 ; U5.J14 v1(43.12,93.54) U5.H14 ; U5.P13 v1(43.92,98.34) ; U5.L14 v1(43.92,95.14) U5.K14 ; U5.P10 v1(46.32,98.34) U5.P11 ; v1(42.32,97.54) U5.N15 ; v1(42.3,99.15) U5.R15 ; U5.N5 v1(51.12,96.74) ; U5.P5 v1(51.12,98.34) ; U5.F14 v1(43.12,91.94) U5.G14
  TOP w0.381: C37.1 R4.1 ; R4.1 v1(28.38,88.24) ; R4.1 R3.1 ; C61.2 76.45,111.35 v1(76.96,110.85) ; v1(41.08,110.86) 41.07,110.88 U3.5 ; Y4.4 40.32,105.58 40,105.89 C159.1 39.12,105.89 38.88,105.66 v1(38.73,105.66) ; v1(57,111.73) C57.2 ; R1.1 25.02,85.7 v1(25.78,86.46) ; v1(24.05,105.21) 24.05,105.71 23.75,106.02 R169.2 ; v1(54.48,110.97) R56.1
  LYR3 w0.381: v1(3.1,81.94) 3.66,81.38 4.45,81.38 6.99,78.84 10.54,78.84 10.79,79.1 12.32,79.1 13.21,79.98 16.69,79.98 17.91,81.2 17.91,83.03 18.41,83.54 22.73,83.54 23.76,84.56 v1(23.76,84.75) ; v1(24.05,105.21) 24.05,104.98 24.59,104.44 35.97,104.44 36.75,103.66 v1(37.52,103.66)
  BOTTOM w0.305: C87.1 40.54,95.86 41.21,96.53 41.31,96.53 v1(42.32,97.54) ; C56.2 47.01,99.03 v1(46.32,98.34) ; C70.2 43.12,91.24 v1(43.12,91.94) 43.12,92.63 C60.2 43.12,92.84 v1(43.12,93.54) ; v1(46.32,91.14) 46.82,90.63 C72.2 ; U17.8 47.13,107.28 46.86,107.54 R175.1 v2(46.48,108.43) ; v1(43.92,95.14) 44.02,95.24 C66.1
  BOTTOM w0.381: R172.1 45.21,105.51 44.83,105.89 44.83,105.98 v2(44.75,106.06) ; R52.1 3.66,81.38 v1(3.1,81.94) ; v1(31.62,77.44) 31.37,77.19 R14.1 ; R61.1 64.26,111.38 v1(63.86,110.97) 63.37,111.46 R60.1 ; C59.1 v1(44.89,86.08) ; R55.1 R56.1 v1(54.48,110.97) ; R57.1 61.21,111.4 v1(61.67,110.95) 62.1,111.38 R58.1 ; v1(51.12,96.74) 51.23,96.84 C73.2 ; C15.2 23.37,84.05 23.76,84.44 v1(23.76,84.75) ; R171.1 50.8,105 50.58,105.22 50.54,105.22 50.38,105.38 v2(50.16,105.38) ; v1(69.77,110.92) R66.1 R67.1 R68.1 R69.1 C61.2 R70.1 77.34,111.23 v1(76.96,110.85) ; C71.2 39.24,102.08 v1(39.37,101.96) ; R62.1 65.53,111.46 66.01,110.97 v1(66.01,110.85) 66.42,111.25 R63.1 ; C77.1 36.58,103 37.24,103.66 v1(37.52,103.66) ; C77.1 36.89,101.96 v1(37.48,101.96) ; C77.1 36.2,101.89 C67.1 ; 28.38,86.53 C152.1 R156.1 ; 28.38,86.53 v1(28.38,88.24) ; 28.38,86.53 28.83,86.08 U7.4 ; U4.1 22.1,105.66 22.48,105.28 23.98,105.28 v1(24.05,105.21) ; R64.1 67.69,111.43 v1(68.15,110.97) 68.58,111.4 R65.1 ; R59.1 v1(57,111.73) ; C67.1 v1(36.96,100.69) ; C67.1 C38.1 ; v1(41.08,110.86) C158.1
VDD_3V3AUX: length 19.4
  TOP w0.203: U2.1 20.98,82.57 20.6,82.95
  TOP w0.381: 20.6,82.95 20.6,84.94 20.7,85.04 C18.1 20.7,85.83 19.94,86.59 14.99,86.59 13.78,85.38 12.13,85.38 11.86,85.65 D1.2
VDD_3V3B: length 131.4
  TOP w0.203: U13.P5 26.77,108.29 v1(26.72,108.33) ; v1(27.38,109.29) U13.P3 U13.N4 ; U13.K9 29.7,106.29 29.46,106.05 29.46,105.96 29.46,105.95 v1(29.46,105.94) ; U13.E6 32.6,107.68 v1(32.99,107.68) 33,107.68 33.11,107.79 U13.C6 ; U13.J10 30.49,105.52 30.33,105.36 30.33,105.22 v1(30.32,105.21) ; v1(31.75,108.81) 31.99,108.57 U13.F5 ; U13.M4 v1(29.46,108.79)